# Altium PCB CL-AHU-V1.1.pcbdoc (part 3 of 5) (continued)
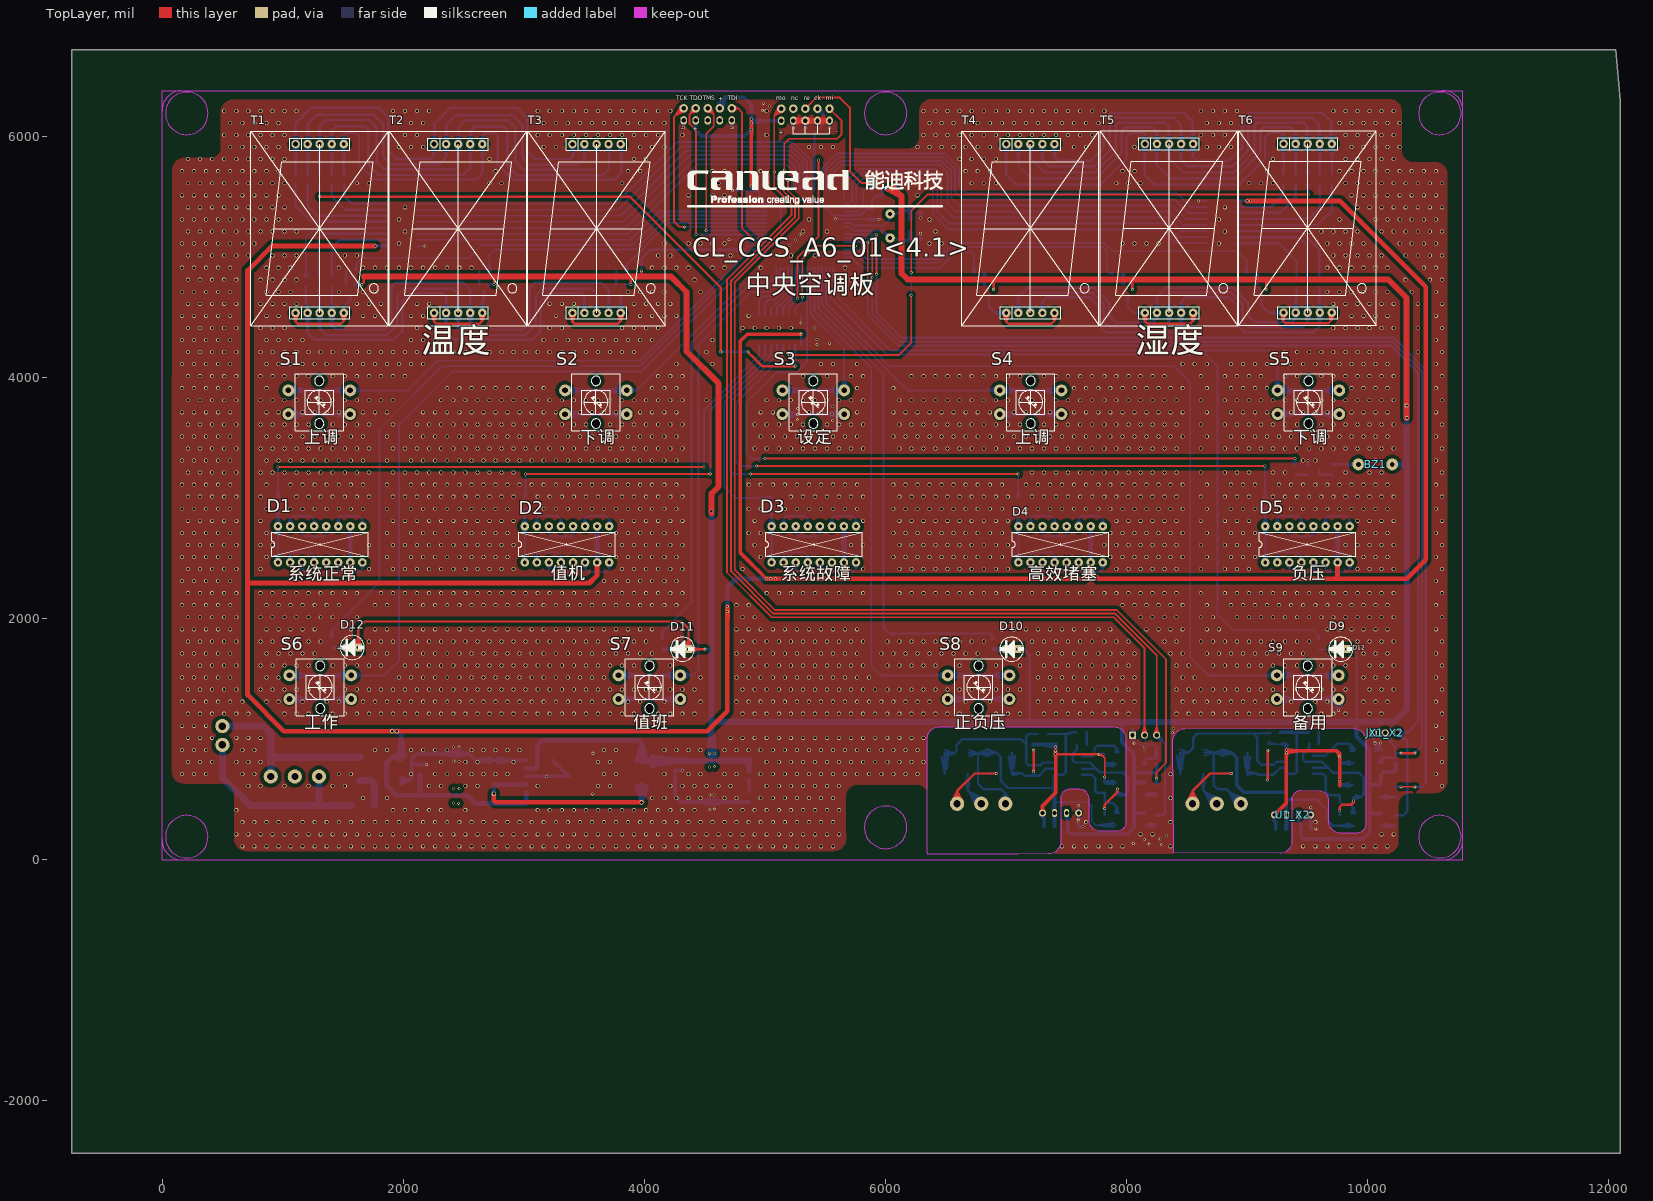
[diagram p0: TopLayer view]
## Nets (pads, with @x,y where several pads share a name; then routed paths per layer and width w, separated by ;. In a path a pad name is that pad's centre, name@x,y a point inside that pad or via, vN(x,y) a via of type N, cw(c..) or ccw(c..) an arc to the next point about the centre after c; other vN are vias at no path point) (continued)
2264.55,2710.7 2364.55,2710.7 2464.55,2710.7 2564.55,2710.7 2664.55,2710.7 2764.55,2710.7 2864.55,2710.7 3764.55,2710.7 3864.55,2710.7 3964.55,2710.7 4064.55,2710.7 4164.55,2710.7 4264.55,2710.7 4864.55,2710.7 4964.55,2710.7 6064.55,2710.7 6164.55,2710.7 6264.55,2710.7 6364.55,2710.7 6464.55,2710.7 6564.55,2710.7 6664.55,2710.7 6764.55,2710.7 6864.55,2710.7 6964.55,2710.7 7864.55,2710.7 7964.55,2710.7 8064.55,2710.7 8164.55,2710.7 8264.55,2710.7 8364.55,2710.7 8464.55,2710.7 8664.55,2710.7 8864.55,2710.7 8964.55,2710.7 9064.55,2710.7 9964.55,2710.7 10064.55,2710.7 10164.55,2710.7 10564.55,2710.7 214.55,2810.7 314.55,2810.7 414.55,2810.7 514.55,2810.7 614.55,2810.7 814.55,2810.7 1914.55,2810.7 2014.55,2810.7 2114.55,2810.7 2214.55,2810.7 2314.55,2810.7 2414.55,2810.7 2514.55,2810.7 2614.55,2810.7 2714.55,2810.7 2814.55,2810.7 2914.55,2810.7 3814.55,2810.7 3914.55,2810.7 4014.55,2810.7 4114.55,2810.7 4214.55,2810.7 4314.55,2810.7 4914.55,2810.7 5814.55,2810.7 6114.55,2810.7 6214.55,2810.7 6314.55,2810.7 6414.55,2810.7 6514.55,2810.7 6614.55,2810.7 6714.55,2810.7 6814.55,2810.7 6914.55,2810.7 7014.55,2810.7 7914.55,2810.7 8014.55,2810.7 8114.55,2810.7 8214.55,2810.7 8314.55,2810.7 8414.55,2810.7 8614.55,2810.7 8814.55,2810.7 8914.55,2810.7 9014.55,2810.7 9914.55,2810.7 10014.55,2810.7 10114.55,2810.7 10214.55,2810.7 10614.55,2810.7 164.55,2910.7 264.55,2910.7 364.55,2910.7 464.55,2910.7 564.55,2910.7 864.55,2910.7 1064.55,2910.7 1164.55,2910.7 1264.55,2910.7 1364.55,2910.7 1464.55,2910.7 1564.55,2910.7 1664.55,2910.7 1864.55,2910.7 2064.55,2910.7 2164.55,2910.7 2264.55,2910.7 2364.55,2910.7 2464.55,2910.7 2564.55,2910.7 2664.55,2910.7 2764.55,2910.7 2864.55,2910.7 3164.55,2910.7 3264.55,2910.7 3364.55,2910.7 3464.55,2910.7 3564.55,2910.7 3664.55,2910.7 3764.55,2910.7 3864.55,2910.7 3964.55,2910.7 4064.55,2910.7 4164.55,2910.7 4264.55,2910.7 4864.55,2910.7 4964.55,2910.7 5164.55,2910.7 5264.55,2910.7 5364.55,2910.7 5464.55,2910.7 5564.55,2910.7 5664.55,2910.7 5764.55,2910.7 6064.55,2910.7 6164.55,2910.7 6264.55,2910.7 6364.55,2910.7 6464.55,2910.7 6564.55,2910.7 6664.55,2910.7 6764.55,2910.7 6864.55,2910.7 6964.55,2910.7 7164.55,2910.7 7264.55,2910.7 7364.55,2910.7 7464.55,2910.7 7564.55,2910.7 7664.55,2910.7 7764.55,2910.7 7864.55,2910.7 7964.55,2910.7 8064.55,2910.7 8164.55,2910.7 8264.55,2910.7 8364.55,2910.7 8464.55,2910.7 8664.55,2910.7 8864.55,2910.7 8964.55,2910.7 9064.55,2910.7 9264.55,2910.7 9364.55,2910.7 9464.55,2910.7 9564.55,2910.7 9664.55,2910.7 9764.55,2910.7 9864.55,2910.7 9964.55,2910.7 10064.55,2910.7 10164.55,2910.7 10564.55,2910.7 214.55,3010.7 314.55,3010.7 414.55,3010.7 514.55,3010.7 614.55,3010.7 814.55,3010.7 1114.55,3010.7 1214.55,3010.7 1314.55,3010.7 1414.55,3010.7 1514.55,3010.7 1614.55,3010.7 1714.55,3010.7 1914.55,3010.7 2014.55,3010.7 2114.55,3010.7 2214.55,3010.7 2314.55,3010.7 2414.55,3010.7 2514.55,3010.7 2614.55,3010.7 2714.55,3010.7 2814.55,3010.7 2914.55,3010.7 3114.55,3010.7 3214.55,3010.7 3314.55,3010.7 3414.55,3010.7 3514.55,3010.7 3614.55,3010.7 3714.55,3010.7 3814.55,3010.7 3914.55,3010.7 4014.55,3010.7 4114.55,3010.7 4214.55,3010.7 4314.55,3010.7 5214.55,3010.7 5314.55,3010.7 5414.55,3010.7 5514.55,3010.7 5614.55,3010.7 5714.55,3010.7 5814.55,3010.7 6114.55,3010.7 6214.55,3010.7 6314.55,3010.7 6414.55,3010.7 6514.55,3010.7 6614.55,3010.7 6714.55,3010.7 6814.55,3010.7 6914.55,3010.7 7014.55,3010.7 7214.55,3010.7 7314.55,3010.7 7414.55,3010.7 7514.55,3010.7 7614.55,3010.7 7714.55,3010.7 7814.55,3010.7 7914.55,3010.7 8014.55,3010.7 8114.55,3010.7 8214.55,3010.7 8314.55,3010.7 8414.55,3010.7 8614.55,3010.7 8814.55,3010.7 8914.55,3010.7 9014.55,3010.7 9214.55,3010.7 9314.55,3010.7 9414.55,3010.7 9514.55,3010.7 9614.55,3010.7 9714.55,3010.7 9814.55,3010.7 9914.55,3010.7 10014.55,3010.7 10114.55,3010.7 10214.55,3010.7 10614.55,3010.7 164.55,3110.7 264.55,3110.7 364.55,3110.7 464.55,3110.7 564.55,3110.7 864.55,3110.7 1064.55,3110.7 1164.55,3110.7 1264.55,3110.7 1364.55,3110.7 1464.55,3110.7 1564.55,3110.7 1664.55,3110.7 1864.55,3110.7 2064.55,3110.7 2164.55,3110.7 2264.55,3110.7 2364.55,3110.7 2464.55,3110.7 2564.55,3110.7 2664.55,3110.7 2764.55,3110.7 2864.55,3110.7 2964.55,3110.7 3064.55,3110.7 3164.55,3110.7 3264.55,3110.7 3364.55,3110.7 3464.55,3110.7 3564.55,3110.7 3664.55,3110.7 3764.55,3110.7 3864.55,3110.7 3964.55,3110.7 4064.55,3110.7 4164.55,3110.7 4264.55,3110.7 4864.55,3110.7 4964.55,3110.7 5064.55,3110.7 5164.55,3110.7 5264.55,3110.7 5364.55,3110.7 5464.55,3110.7 5564.55,3110.7 5664.55,3110.7 5764.55,3110.7 6064.55,3110.7 6164.55,3110.7 6264.55,3110.7 6364.55,3110.7 6464.55,3110.7 6564.55,3110.7 6664.55,3110.7 6764.55,3110.7 6864.55,3110.7 6964.55,3110.7 7164.55,3110.7 7264.55,3110.7 7364.55,3110.7 7464.55,3110.7 7564.55,3110.7 7664.55,3110.7 7764.55,3110.7 7864.55,3110.7 7964.55,3110.7 8064.55,3110.7 8164.55,3110.7 8264.55,3110.7 8364.55,3110.7 8464.55,3110.7 8664.55,3110.7 8864.55,3110.7 8964.55,3110.7 9064.55,3110.7 9264.55,3110.7 9364.55,3110.7 9464.55,3110.7 9564.55,3110.7 9664.55,3110.7 9764.55,3110.7 9864.55,3110.7 9964.55,3110.7 10064.55,3110.7 10164.55,3110.7 10564.55,3110.7 214.55,3210.7 314.55,3210.7 414.55,3210.7 514.55,3210.7 614.55,3210.7 814.55,3210.7 914.55,3210.7 1014.55,3210.7 1114.55,3210.7 1214.55,3210.7 1314.55,3210.7 1414.55,3210.7 1514.55,3210.7 1614.55,3210.7 1714.55,3210.7 1914.55,3210.7 2014.55,3210.7 2114.55,3210.7 2214.55,3210.7 2314.55,3210.7 2414.55,3210.7 2514.55,3210.7 2614.55,3210.7 2714.55,3210.7 2814.55,3210.7 2914.55,3210.7 7214.55,3210.7 7314.55,3210.7 7414.55,3210.7 7514.55,3210.7 7614.55,3210.7 7714.55,3210.7 7814.55,3210.7 7914.55,3210.7 8014.55,3210.7 8114.55,3210.7 8214.55,3210.7 8314.55,3210.7 8414.55,3210.7 8614.55,3210.7 8814.55,3210.7 8914.55,3210.7 9014.55,3210.7 9214.55,3210.7 9314.55,3210.7 9814.55,3210.7 10014.55,3210.7 10114.55,3210.7 10614.55,3210.7 164.55,3310.7 264.55,3310.7 364.55,3310.7 464.55,3310.7 564.55,3310.7 864.55,3310.7 964.55,3310.7 1064.55,3310.7 1164.55,3310.7 1264.55,3310.7 1364.55,3310.7 1464.55,3310.7 1564.55,3310.7 1664.55,3310.7 1864.55,3310.7 2064.55,3310.7 2164.55,3310.7 2264.55,3310.7 2364.55,3310.7 2464.55,3310.7 2564.55,3310.7 2664.55,3310.7 2764.55,3310.7 2864.55,3310.7 2964.55,3310.7 3064.55,3310.7 3164.55,3310.7 3264.55,3310.7 3364.55,3310.7 3464.55,3310.7 3564.55,3310.7 3664.55,3310.7 3764.55,3310.7 3864.55,3310.7 3964.55,3310.7 4064.55,3310.7 4164.55,3310.7 4264.55,3310.7 9464.55,3310.7 9564.55,3310.7 10064.55,3310.7 10564.55,3310.7 214.55,3410.7 314.55,3410.7 414.55,3410.7 514.55,3410.7 614.55,3410.7 814.55,3410.7 914.55,3410.7 1014.55,3410.7 1114.55,3410.7 1214.55,3410.7 1314.55,3410.7 1414.55,3410.7 1514.55,3410.7 1614.55,3410.7 1714.55,3410.7 1914.55,3410.7 2014.55,3410.7 2114.55,3410.7 2214.55,3410.7 2314.55,3410.7 2414.55,3410.7 2514.55,3410.7 2614.55,3410.7 2714.55,3410.7 2814.55,3410.7 2914.55,3410.7 3014.55,3410.7 3114.55,3410.7 3214.55,3410.7 3314.55,3410.7 3414.55,3410.7 3514.55,3410.7 3614.55,3410.7 3714.55,3410.7 3814.55,3410.7 3914.55,3410.7 4014.55,3410.7 4114.55,3410.7 4214.55,3410.7 4314.55,3410.7 4914.55,3410.7 5014.55,3410.7 5114.55,3410.7 5214.55,3410.7 5314.55,3410.7 5414.55,3410.7 5514.55,3410.7 5614.55,3410.7 5714.55,3410.7 5814.55,3410.7 6114.55,3410.7 6214.55,3410.7 6314.55,3410.7 6414.55,3410.7 6514.55,3410.7 6614.55,3410.7 6714.55,3410.7 6814.55,3410.7 6914.55,3410.7 7014.55,3410.7 7114.55,3410.7 7214.55,3410.7 7314.55,3410.7 7414.55,3410.7 7514.55,3410.7 7614.55,3410.7 7714.55,3410.7 7814.55,3410.7 7914.55,3410.7 8014.55,3410.7 8114.55,3410.7 8214.55,3410.7 8314.55,3410.7 8414.55,3410.7 8614.55,3410.7 8814.55,3410.7 8914.55,3410.7 9014.55,3410.7 9114.55,3410.7 9214.55,3410.7 9314.55,3410.7 9414.55,3410.7 9514.55,3410.7 9614.55,3410.7 9714.55,3410.7 9814.55,3410.7 9914.55,3410.7 10014.55,3410.7 10114.55,3410.7 10214.55,3410.7 10614.55,3410.7 164.55,3510.7 264.55,3510.7 364.55,3510.7 464.55,3510.7 564.55,3510.7 864.55,3510.7 964.55,3510.7 1064.55,3510.7 1164.55,3510.7 1264.55,3510.7 1364.55,3510.7 1464.55,3510.7 1564.55,3510.7 1664.55,3510.7 1864.55,3510.7 2064.55,3510.7 2164.55,3510.7 2264.55,3510.7 2364.55,3510.7 2464.55,3510.7 2564.55,3510.7 2664.55,3510.7 2764.55,3510.7 2864.55,3510.7 2964.55,3510.7 3064.55,3510.7 3164.55,3510.7 3264.55,3510.7 3364.55,3510.7 3464.55,3510.7 3564.55,3510.7 3664.55,3510.7 3764.55,3510.7 3864.55,3510.7 3964.55,3510.7 4064.55,3510.7 4164.55,3510.7 4264.55,3510.7 4964.55,3510.7 5064.55,3510.7 5164.55,3510.7 5264.55,3510.7 5364.55,3510.7 5464.55,3510.7 5564.55,3510.7 5664.55,3510.7 5764.55,3510.7 6064.55,3510.7 6164.55,3510.7 6264.55,3510.7 6364.55,3510.7 6464.55,3510.7 6564.55,3510.7 6664.55,3510.7 6764.55,3510.7 6864.55,3510.7 6964.55,3510.7 7064.55,3510.7 7164.55,3510.7 7264.55,3510.7 7364.55,3510.7 7464.55,3510.7 7564.55,3510.7 7664.55,3510.7 7764.55,3510.7 7864.55,3510.7 7964.55,3510.7 8064.55,3510.7 8164.55,3510.7 8264.55,3510.7 8364.55,3510.7 8464.55,3510.7 8664.55,3510.7 8864.55,3510.7 8964.55,3510.7 9064.55,3510.7 9164.55,3510.7 9264.55,3510.7 9364.55,3510.7 9464.55,3510.7 9564.55,3510.7 9664.55,3510.7 9764.55,3510.7 9864.55,3510.7 9964.55,3510.7 10064.55,3510.7 10164.55,3510.7 10564.55,3510.7 214.55,3610.7 314.55,3610.7 414.55,3610.7 514.55,3610.7 614.55,3610.7 814.55,3610.7 914.55,3610.7 1014.55,3610.7 1114.55,3610.7 1214.55,3610.7 1414.55,3610.7 1514.55,3610.7 1614.55,3610.7 1714.55,3610.7 1914.55,3610.7 2114.55,3610.7 2214.55,3610.7 2314.55,3610.7 2414.55,3610.7 2514.55,3610.7 2614.55,3610.7 2714.55,3610.7 2814.55,3610.7 2914.55,3610.7 3014.55,3610.7 3114.55,3610.7 3214.55,3610.7 3314.55,3610.7 3414.55,3610.7 3514.55,3610.7 3714.55,3610.7 3814.55,3610.7 3914.55,3610.7 4014.55,3610.7 4114.55,3610.7 4214.55,3610.7 4314.55,3610.7 4914.55,3610.7 5014.55,3610.7 5114.55,3610.7 5214.55,3610.7 5314.55,3610.7 5514.55,3610.7 5614.55,3610.7 5714.55,3610.7 5814.55,3610.7 6114.55,3610.7 6214.55,3610.7 6314.55,3610.7 6414.55,3610.7 6514.55,3610.7 6614.55,3610.7 6714.55,3610.7 6814.55,3610.7 6914.55,3610.7 7014.55,3610.7 7114.55,3610.7 7314.55,3610.7 7414.55,3610.7 7514.55,3610.7 7614.55,3610.7 7714.55,3610.7 7814.55,3610.7 7914.55,3610.7 8014.55,3610.7 8114.55,3610.7 8214.55,3610.7 8314.55,3610.7 8414.55,3610.7 8614.55,3610.7 8814.55,3610.7 8914.55,3610.7 9014.55,3610.7 9114.55,3610.7 9214.55,3610.7 9314.55,3610.7 9414.55,3610.7 9614.55,3610.7 9714.55,3610.7 9814.55,3610.7 9914.55,3610.7 10014.55,3610.7 10114.55,3610.7 10214.55,3610.7 10614.55,3610.7 164.55,3710.7 264.55,3710.7 364.55,3710.7 464.55,3710.7 564.55,3710.7 864.55,3710.7 964.55,3710.7 1164.55,3710.7 1264.55,3710.7 1364.55,3710.7 1464.55,3710.7 1664.55,3710.7 1764.55,3710.7 1864.55,3710.7 2164.55,3710.7 2264.55,3710.7 2364.55,3710.7 2464.55,3710.7 2564.55,3710.7 2664.55,3710.7 2764.55,3710.7 2864.55,3710.7 2964.55,3710.7 3064.55,3710.7 3164.55,3710.7 3264.55,3710.7 3464.55,3710.7 3564.55,3710.7 3664.55,3710.7 3764.55,3710.7 3964.55,3710.7 4064.55,3710.7 4164.55,3710.7 4264.55,3710.7 4964.55,3710.7 5064.55,3710.7 5364.55,3710.7 5464.55,3710.7 5764.55,3710.7 6064.55,3710.7 6164.55,3710.7 6264.55,3710.7 6364.55,3710.7 6464.55,3710.7 6564.55,3710.7 6664.55,3710.7 6764.55,3710.7 6864.55,3710.7 7064.55,3710.7 7164.55,3710.7 7264.55,3710.7 7364.55,3710.7 7564.55,3710.7 7664.55,3710.7 7764.55,3710.7 7864.55,3710.7 7964.55,3710.7 8064.55,3710.7 8164.55,3710.7 8264.55,3710.7 8364.55,3710.7 8464.55,3710.7 8664.55,3710.7 8864.55,3710.7 8964.55,3710.7 9064.55,3710.7 9164.55,3710.7 9364.55,3710.7 9464.55,3710.7 9564.55,3710.7 9664.55,3710.7 9864.55,3710.7 9964.55,3710.7 10064.55,3710.7 10164.55,3710.7 10564.55,3710.7 214.55,3810.7 314.55,3810.7 414.55,3810.7 514.55,3810.7 614.55,3810.7 814.55,3810.7 914.55,3810.7 1014.55,3810.7 1114.55,3810.7 1214.55,3810.7 1314.55,3810.7 1414.55,3810.7 1514.55,3810.7 1614.55,3810.7 1714.55,3810.7 1814.55,3810.7 1914.55,3810.7 2314.55,3810.7 2414.55,3810.7 2514.55,3810.7 2614.55,3810.7 2714.55,3810.7 2814.55,3810.7 2914.55,3810.7 3014.55,3810.7 3114.55,3810.7 3214.55,3810.7 3314.55,3810.7 3414.55,3810.7 3514.55,3810.7 3614.55,3810.7 3714.55,3810.7 3814.55,3810.7 3914.55,3810.7 4014.55,3810.7 4114.55,3810.7 4214.55,3810.7 4314.55,3810.7 4514.55,3810.7 5014.55,3810.7 5114.55,3810.7 5214.55,3810.7 5314.55,3810.7 5414.55,3810.7 5514.55,3810.7 5614.55,3810.7 5714.55,3810.7 5814.55,3810.7 6114.55,3810.7 6214.55,3810.7 6314.55,3810.7 6414.55,3810.7 6514.55,3810.7 6614.55,3810.7 6714.55,3810.7 6814.55,3810.7 6914.55,3810.7 7014.55,3810.7 7114.55,3810.7 7214.55,3810.7 7314.55,3810.7 7414.55,3810.7 7514.55,3810.7 7614.55,3810.7 7714.55,3810.7 7814.55,3810.7 7914.55,3810.7 8014.55,3810.7 8114.55,3810.7 8214.55,3810.7 8314.55,3810.7 8414.55,3810.7 8614.55,3810.7 8814.55,3810.7 8914.55,3810.7 9014.55,3810.7 9114.55,3810.7 9214.55,3810.7 9314.55,3810.7 9414.55,3810.7 9514.55,3810.7 9614.55,3810.7 9714.55,3810.7 9814.55,3810.7 9914.55,3810.7 10014.55,3810.7 10114.55,3810.7 10214.55,3810.7 10614.55,3810.7 164.55,3910.7 264.55,3910.7 364.55,3910.7 464.55,3910.7 564.55,3910.7 864.55,3910.7 2364.55,3910.7 2464.55,3910.7 2564.55,3910.7 2664.55,3910.7 2764.55,3910.7 2864.55,3910.7 2964.55,3910.7 3064.55,3910.7 3164.55,3910.7 4064.55,3910.7 4164.55,3910.7 4264.55,3910.7 5764.55,3910.7 6064.55,3910.7 7564.55,3910.7 7664.55,3910.7 7764.55,3910.7 7864.55,3910.7 7964.55,3910.7 8064.55,3910.7 8164.55,3910.7 8264.55,3910.7 8364.55,3910.7 8464.55,3910.7 8664.55,3910.7 8864.55,3910.7 8964.55,3910.7 9064.55,3910.7 9164.55,3910.7 9864.55,3910.7 9964.55,3910.7 10064.55,3910.7 10164.55,3910.7 10564.55,3910.7 214.55,4010.7 314.55,4010.7 414.55,4010.7 514.55,4010.7 614.55,4010.7 814.55,4010.7 914.55,4010.7 1014.55,4010.7 1114.55,4010.7 1214.55,4010.7 1414.55,4010.7 1514.55,4010.7 1614.55,4010.7 1714.55,4010.7 1814.55,4010.7 1914.55,4010.7 2014.55,4010.7 4114.55,4010.7 4214.55,4010.7 4314.55,4010.7 5314.55,4010.7 5514.55,4010.7 5714.55,4010.7 5814.55,4010.7 6214.55,4010.7 6314.55,4010.7 6414.55,4010.7 6514.55,4010.7 6614.55,4010.7 6714.55,4010.7 6814.55,4010.7 6914.55,4010.7 7014.55,4010.7 7114.55,4010.7 7314.55,4010.7 7414.55,4010.7 7514.55,4010.7 7614.55,4010.7 7714.55,4010.7 7814.55,4010.7 7914.55,4010.7 8014.55,4010.7 8114.55,4010.7 8214.55,4010.7 8314.55,4010.7 8614.55,4010.7 8814.55,4010.7 8914.55,4010.7 9014.55,4010.7 9114.55,4010.7 9314.55,4010.7 9414.55,4010.7 9614.55,4010.7 9714.55,4010.7 9814.55,4010.7 9914.55,4010.7 10014.55,4010.7 10114.55,4010.7 10214.55,4010.7 10614.55,4010.7 164.55,4110.7 264.55,4110.7 364.55,4110.7 464.55,4110.7 564.55,4110.7 864.55,4110.7 964.55,4110.7 1064.55,4110.7 1164.55,4110.7 1264.55,4110.7 1364.55,4110.7 1464.55,4110.7 1564.55,4110.7 1664.55,4110.7 1764.55,4110.7 1864.55,4110.7 1964.55,4110.7 2064.55,4110.7 2164.55,4110.7 4264.55,4110.7 4564.55,4110.7 5464.55,4110.7 5564.55,4110.7 5764.55,4110.7 8464.55,4110.7 8564.55,4110.7 8664.55,4110.7 8864.55,4110.7 8964.55,4110.7 9064.55,4110.7 9164.55,4110.7 9364.55,4110.7 9464.55,4110.7 9564.55,4110.7 9664.55,4110.7 9764.55,4110.7 9864.55,4110.7 9964.55,4110.7 10064.55,4110.7 10164.55,4110.7 10564.55,4110.7 214.55,4210.7 314.55,4210.7 414.55,4210.7 514.55,4210.7 614.55,4210.7 814.55,4210.7 914.55,4210.7 1014.55,4210.7 1114.55,4210.7 1214.55,4210.7 1314.55,4210.7 1414.55,4210.7 1514.55,4210.7 1614.55,4210.7 1714.55,4210.7 1814.55,4210.7 1914.55,4210.7 2014.55,4210.7 2114.55,4210.7 2214.55,4210.7 2314.55,4210.7 2414.55,4210.7 2514.55,4210.7 2614.55,4210.7 2714.55,4210.7 2814.55,4210.7 2914.55,4210.7 3014.55,4210.7 3114.55,4210.7 3214.55,4210.7 3314.55,4210.7 3414.55,4210.7 3514.55,4210.7 3614.55,4210.7 3714.55,4210.7 3814.55,4210.7 3914.55,4210.7 4514.55,4210.7 9314.55,4210.7 9414.55,4210.7 9514.55,4210.7 9614.55,4210.7 9714.55,4210.7 9814.55,4210.7 9914.55,4210.7 10014.55,4210.7 10114.55,4210.7 10414.55,4210.7 10614.55,4210.7 164.55,4310.7 264.55,4310.7 364.55,4310.7 464.55,4310.7 564.55,4310.7 864.55,4310.7 964.55,4310.7 1064.55,4310.7 1164.55,4310.7 2064.55,4310.7 2164.55,4310.7 2264.55,4310.7 3164.55,4310.7 3264.55,4310.7 3364.55,4310.7 3464.55,4310.7 3564.55,4310.7 3664.55,4310.7 3764.55,4310.7 3864.55,4310.7 3964.55,4310.7 4064.55,4310.7 4564.55,4310.7 10564.55,4310.7 214.55,4410.7 314.55,4410.7 414.55,4410.7 514.55,4410.7 614.55,4410.7 814.55,4410.7 914.55,4410.7 1014.55,4410.7 2114.55,4410.7 2214.55,4410.7 3214.55,4410.7 3314.55,4410.7 3814.55,4410.7 3914.55,4410.7 4014.55,4410.7 4114.55,4410.7 4814.55,4410.7 4914.55,4410.7 5014.55,4410.7 5114.55,4410.7 5214.55,4410.7 9714.55,4410.7 9814.55,4410.7 9914.55,4410.7 10014.55,4410.7 10114.55,4410.7 10214.55,4410.7 10414.55,4410.7 10614.55,4410.7 164.55,4510.7 264.55,4510.7 364.55,4510.7 464.55,4510.7 564.55,4510.7 864.55,4510.7 964.55,4510.7 1664.55,4510.7 1764.55,4510.7 2064.55,4510.7 2164.55,4510.7 3264.55,4510.7 3964.55,4510.7 4064.55,4510.7 4164.55,4510.7 4264.55,4510.7 4864.55,4510.7 9864.55,4510.7 9964.55,4510.7 10064.55,4510.7 10164.55,4510.7 10564.55,4510.7 214.55,4610.7 314.55,4610.7 414.55,4610.7 514.55,4610.7 614.55,4610.7 814.55,4610.7 914.55,4610.7 1014.55,4610.7 1114.55,4610.7 1614.55,4610.7 1714.55,4610.7 1814.55,4610.7 2114.55,4610.7 2214.55,4610.7 3214.55,4610.7 3314.55,4610.7 3414.55,4610.7 3914.55,4610.7 4014.55,4610.7 4114.55,4610.7 4214.55,4610.7 9714.55,4610.7 9814.55,4610.7 9914.55,4610.7 10014.55,4610.7 10114.55,4610.7 10214.55,4610.7 10414.55,4610.7 10614.55,4610.7 164.55,4710.7 264.55,4710.7 364.55,4710.7 464.55,4710.7 564.55,4710.7 864.55,4710.7 964.55,4710.7 1064.55,4710.7 1464.55,4710.7 1664.55,4710.7 1764.55,4710.7 3864.55,4710.7 3964.55,4710.7 4064.55,4710.7 4164.55,4710.7 4464.55,4710.7 5664.55,4710.7 5764.55,4710.7 9664.55,4710.7 9764.55,4710.7 9864.55,4710.7 9964.55,4710.7 10064.55,4710.7 10164.55,4710.7 10364.55,4710.7 10564.55,4710.7 214.55,4810.7 314.55,4810.7 414.55,4810.7 514.55,4810.7 614.55,4810.7 814.55,4810.7 914.55,4810.7 1014.55,4810.7 1114.55,4810.7 4414.55,4810.7 5614.55,4810.7 5714.55,4810.7 10314.55,4810.7 10514.55,4810.7 10614.55,4810.7 164.55,4910.7 264.55,4910.7 364.55,4910.7 464.55,4910.7 564.55,4910.7 864.55,4910.7 964.55,4910.7 1064.55,4910.7 1464.55,4910.7 1664.55,4910.7 1764.55,4910.7 1864.55,4910.7 1964.55,4910.7 2064.55,4910.7 2164.55,4910.7 2264.55,4910.7 2364.55,4910.7 2464.55,4910.7 2564.55,4910.7 4064.55,4910.7 4164.55,4910.7 4264.55,4910.7 4364.55,4910.7 4564.55,4910.7 4664.55,4910.7 4964.55,4910.7 5664.55,4910.7 9664.55,4910.7 9764.55,4910.7 9864.55,4910.7 9964.55,4910.7 10064.55,4910.7 10164.55,4910.7 10464.55,4910.7 10564.55,4910.7 214.55,5010.7 314.55,5010.7 414.55,5010.7 514.55,5010.7 614.55,5010.7 714.55,5010.7 914.55,5010.7 1014.55,5010.7 1114.55,5010.7 1514.55,5010.7 1614.55,5010.7 4114.55,5010.7 4214.55,5010.7 4514.55,5010.7 4614.55,5010.7 4714.55,5010.7 5114.55,5010.7 5214.55,5010.7 5414.55,5010.7 5514.55,5010.7 9714.55,5010.7 9814.55,5010.7 9914.55,5010.7 10014.55,5010.7 10114.55,5010.7 10314.55,5010.7 10414.55,5010.7 10514.55,5010.7 10614.55,5010.7 164.55,5110.7 264.55,5110.7 364.55,5110.7 464.55,5110.7 564.55,5110.7 664.55,5110.7 764.55,5110.7 1964.55,5110.7 4164.55,5110.7 4364.55,5110.7 4464.55,5110.7 4564.55,5110.7 4664.55,5110.7 6364.55,5110.7 6464.55,5110.7 7964.55,5110.7 8064.55,5110.7 8164.55,5110.7 8264.55,5110.7 8764.55,5110.7 9664.55,5110.7 9764.55,5110.7 9864.55,5110.7 9964.55,5110.7 10264.55,5110.7 10364.55,5110.7 10464.55,5110.7 10564.55,5110.7 214.55,5210.7 314.55,5210.7 414.55,5210.7 514.55,5210.7 614.55,5210.7 714.55,5210.7 814.55,5210.7 914.55,5210.7 1014.55,5210.7 1114.55,5210.7 2014.55,5210.7 5314.55,5210.7 5514.55,5210.7 6414.55,5210.7 8814.55,5210.7 9514.55,5210.7 9614.55,5210.7 9714.55,5210.7 9814.55,5210.7 9914.55,5210.7 10114.55,5210.7 10214.55,5210.7 10314.55,5210.7 10414.55,5210.7 10514.55,5210.7 10614.55,5210.7 164.55,5310.7 264.55,5310.7 364.55,5310.7 464.55,5310.7 564.55,5310.7 664.55,5310.7 764.55,5310.7 864.55,5310.7 964.55,5310.7 1064.55,5310.7 1964.55,5310.7 5364.55,5310.7 6364.55,5310.7 8764.55,5310.7 9764.55,5310.7 10064.55,5310.7 10164.55,5310.7 10264.55,5310.7 10364.55,5310.7 10464.55,5310.7 10564.55,5310.7 214.55,5410.7 314.55,5410.7 414.55,5410.7 514.55,5410.7 614.55,5410.7 714.55,5410.7 814.55,5410.7 914.55,5410.7 1014.55,5410.7 2014.55,5410.7 8814.55,5410.7 9914.55,5410.7 10014.55,5410.7 10114.55,5410.7 10214.55,5410.7 10314.55,5410.7 10414.55,5410.7 10514.55,5410.7 10614.55,5410.7 164.55,5510.7 264.55,5510.7 364.55,5510.7 464.55,5510.7 564.55,5510.7 664.55,5510.7 764.55,5510.7 864.55,5510.7 964.55,5510.7 4364.55,5510.7 4564.55,5510.7 4664.55,5510.7 6264.55,5510.7 9864.55,5510.7 9964.55,5510.7 10064.55,5510.7 10164.55,5510.7 10264.55,5510.7 10364.55,5510.7 10464.55,5510.7 10564.55,5510.7 214.55,5610.7 314.55,5610.7 414.55,5610.7 514.55,5610.7 614.55,5610.7 714.55,5610.7 814.55,5610.7 914.55,5610.7 1014.55,5610.7 1614.55,5610.7 1714.55,5610.7 2714.55,5610.7 2814.55,5610.7 3814.55,5610.7 4614.55,5610.7 4714.55,5610.7 5014.55,5610.7 6714.55,5610.7 6814.55,5610.7 6914.55,5610.7 7914.55,5610.7 8014.55,5610.7 8114.55,5610.7 9014.55,5610.7 9114.55,5610.7 9214.55,5610.7 9814.55,5610.7 9914.55,5610.7 10014.55,5610.7 10114.55,5610.7 10214.55,5610.7 10314.55,5610.7 10414.55,5610.7 10514.55,5610.7 10614.55,5610.7 164.55,5710.7 264.55,5710.7 364.55,5710.7 464.55,5710.7 564.55,5710.7 664.55,5710.7 764.55,5710.7 864.55,5710.7 964.55,5710.7 2764.55,5710.7 3864.55,5710.7 3964.55,5710.7 4564.55,5710.7 4664.55,5710.7 4964.55,5710.7 6664.55,5710.7 6764.55,5710.7 6864.55,5710.7 7964.55,5710.7 8064.55,5710.7 9164.55,5710.7 9764.55,5710.7 9864.55,5710.7 9964.55,5710.7 10064.55,5710.7 10164.55,5710.7 10264.55,5710.7 10364.55,5710.7 10464.55,5710.7 10564.55,5710.7 214.55,5810.7 314.55,5810.7 414.55,5810.7 514.55,5810.7 614.55,5810.7 714.55,5810.7 814.55,5810.7 914.55,5810.7 1014.55,5810.7 2714.55,5810.7 3914.55,5810.7 4014.55,5810.7 6614.55,5810.7 6714.55,5810.7 6814.55,5810.7 6914.55,5810.7 9214.55,5810.7 9814.55,5810.7 9914.55,5810.7 10014.55,5810.7 10114.55,5810.7 10214.55,5810.7 564.55,5910.7 664.55,5910.7 764.55,5910.7 864.55,5910.7 964.55,5910.7 1964.55,5910.7 2064.55,5910.7 2164.55,5910.7 3164.55,5910.7 3264.55,5910.7 3964.55,5910.7 4064.55,5910.7 4164.55,5910.7 5364.55,5910.7 5464.55,5910.7 5564.55,5910.7 6264.55,5910.7 6364.55,5910.7 6464.55,5910.7 6564.55,5910.7 6664.55,5910.7 6764.55,5910.7 6864.55,5910.7 7564.55,5910.7 7664.55,5910.7 8064.55,5910.7 8664.55,5910.7 8764.55,5910.7 8864.55,5910.7 9864.55,5910.7 9964.55,5910.7 10064.55,5910.7 10164.55,5910.7 10264.55,5910.7 514.55,6010.7 614.55,6010.7 714.55,6010.7 814.55,6010.7 914.55,6010.7 1014.55,6010.7 2014.55,6010.7 2114.55,6010.7 3114.55,6010.7 3214.55,6010.7 3314.55,6010.7 3414.55,6010.7 3514.55,6010.7 3614.55,6010.7 3714.55,6010.7 3814.55,6010.7 3914.55,6010.7 4014.55,6010.7 4114.55,6010.7 4314.55,6010.7 5014.55,6010.7 6314.55,6010.7 6414.55,6010.7 6514.55,6010.7 6614.55,6010.7 6714.55,6010.7 6814.55,6010.7 6914.55,6010.7 7014.55,6010.7 7114.55,6010.7 7214.55,6010.7 7314.55,6010.7 7414.55,6010.7 7514.55,6010.7 7614.55,6010.7 7714.55,6010.7 8614.55,6010.7 8714.55,6010.7 8814.55,6010.7 9814.55,6010.7 9914.55,6010.7 10014.55,6010.7 10114.55,6010.7 10214.55,6010.7 564.55,6110.7 664.55,6110.7 764.55,6110.7 864.55,6110.7 964.55,6110.7 1964.55,6110.7 2064.55,6110.7 2164.55,6110.7 3164.55,6110.7 3264.55,6110.7 3364.55,6110.7 3464.55,6110.7 3564.55,6110.7 3664.55,6110.7 3764.55,6110.7 3864.55,6110.7 3964.55,6110.7 4064.55,6110.7 4164.55,6110.7 6364.55,6110.7 6464.55,6110.7 6564.55,6110.7 6664.55,6110.7 6764.55,6110.7 6864.55,6110.7 6964.55,6110.7 7064.55,6110.7 7164.55,6110.7 7264.55,6110.7 7364.55,6110.7 7464.55,6110.7 7564.55,6110.7 7664.55,6110.7 7764.55,6110.7 8664.55,6110.7 8764.55,6110.7 8864.55,6110.7 9764.55,6110.7 9864.55,6110.7 9964.55,6110.7 10064.55,6110.7 10164.55,6110.7 10264.55,6110.7 514.55,6210.7 614.55,6210.7 714.55,6210.7 814.55,6210.7 914.55,6210.7 1014.55,6210.7 1114.55,6210.7 1914.55,6210.7 2014.55,6210.7 2114.55,6210.7 2214.55,6210.7 3114.55,6210.7 3214.55,6210.7 3314.55,6210.7 3414.55,6210.7 3514.55,6210.7 3614.55,6210.7 3714.55,6210.7 3814.55,6210.7 3914.55,6210.7 4014.55,6210.7 4114.55,6210.7 4214.55,6210.7 5014.55,6210.7 6314.55,6210.7 6414.55,6210.7 6514.55,6210.7 6614.55,6210.7 6714.55,6210.7 6814.55,6210.7 6914.55,6210.7 7014.55,6210.7 7114.55,6210.7 7214.55,6210.7 7314.55,6210.7 7414.55,6210.7 7514.55,6210.7 7614.55,6210.7 7714.55,6210.7 7814.55,6210.7 8614.55,6210.7 8714.55,6210.7 8814.55,6210.7 8914.55,6210.7 9714.55,6210.7 9814.55,6210.7 9914.55,6210.7 10014.55,6210.7 10114.55,6210.7 10214.55,6210.7
  other v2: 8290.98,125.52 8186.78,128.05 8054.62,133.14 8146.11,166.17 8278.27,171.26 8331.64,199.21 4537.88,416.51 4583.24,418.77 4577.24,535.77 4542.33,536.59 3570.55,546.7 2462.55,814.7 2418.55,817.7 3572.56,882.71 2462.55,932.7 2417.56,933.71 10106.86,966.74 8378.65,1055.69 8388.19,1087.45 5561.45,3641.62 5271.72,3649.24 5271.73,3743.29 5558.91,3758.52 5433.11,4271.9 5534.76,4283.34 5431.83,4313.82 5411.51,4410.42 5203.1,5094.06 5253.93,5139.81 5288.47,5185.73 4978.07,6212.33 5036.97,6250.62 4986.92,6274.19